# Altium PCB FMC_ADC_100M_10B_16CHA_TDC.PcbDoc (part 10 of 12) (continued)
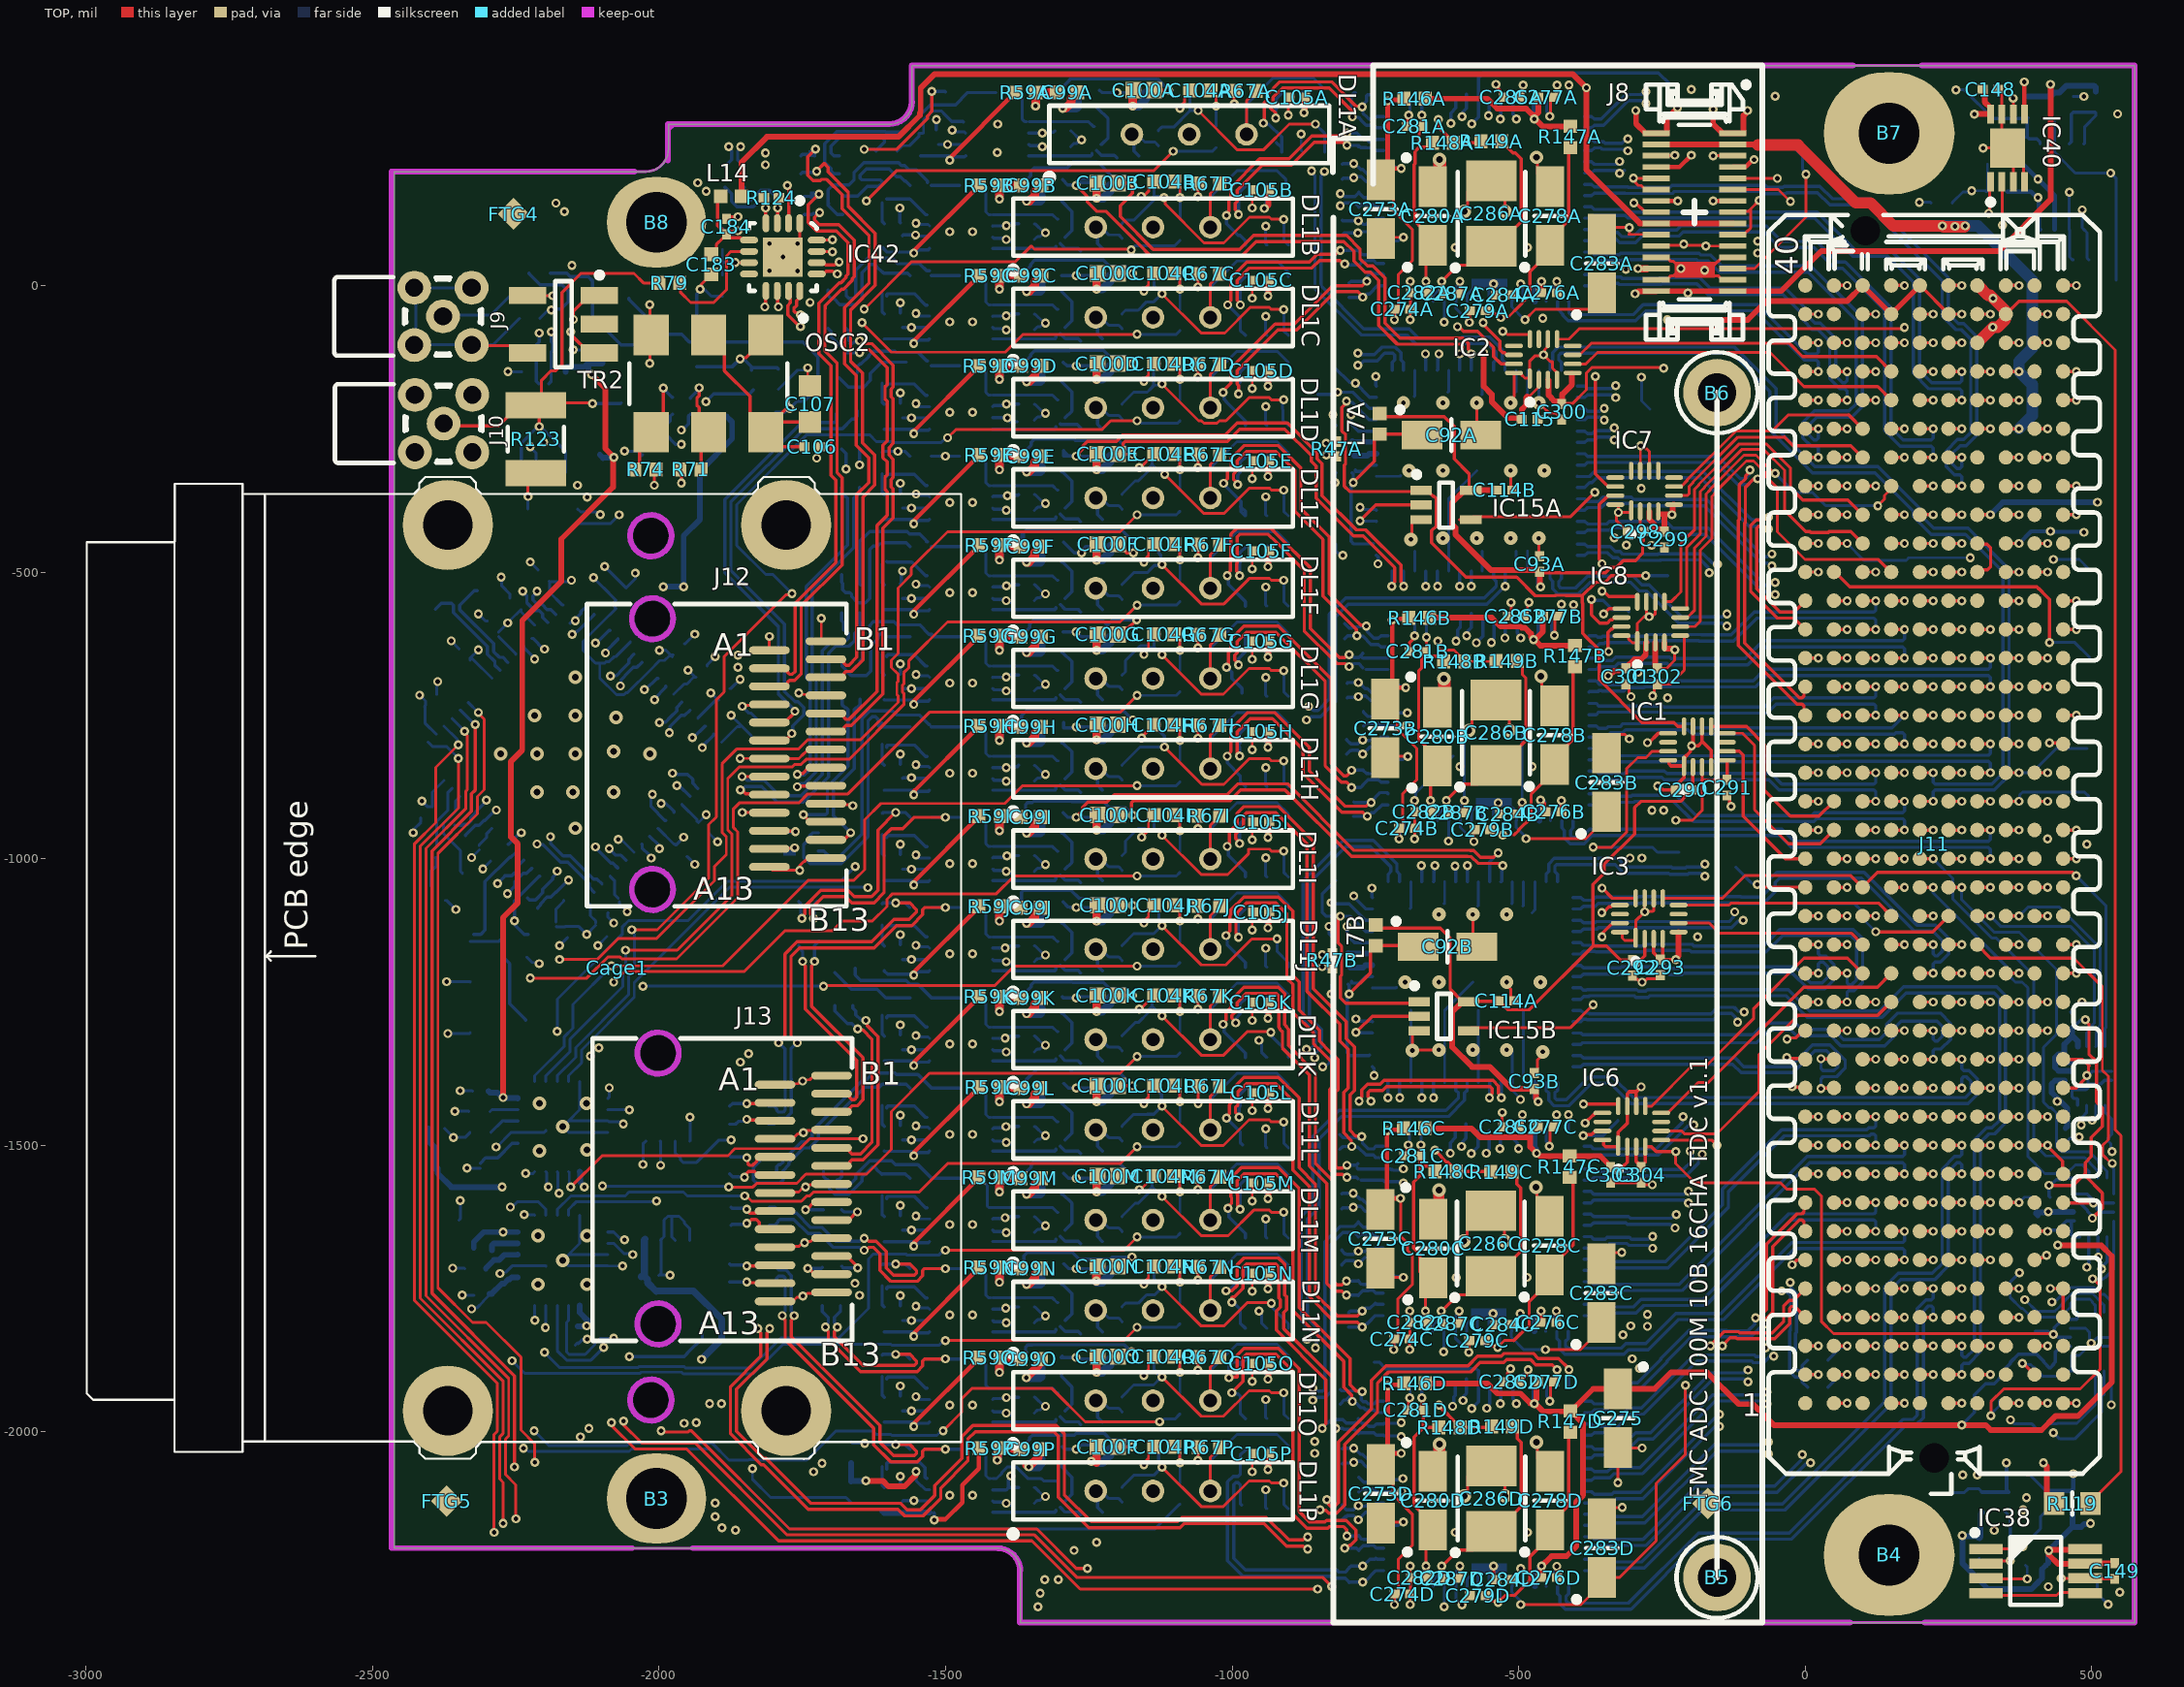
[diagram p0: TOP view]
## Nets (pads, with @x,y where several pads share a name; then routed paths per layer and width w, separated by ;. In a path a pad name is that pad's centre, name@x,y a point inside that pad or via, vN(x,y) a via of type N, cw(c..) or ccw(c..) an arc to the next point about the centre after c; other vN are vias at no path point) (continued)
  BOTTOM w5.71: v1(-783.86,-1303.2) -783.37,-1303.69 -755.81,-1303.69 IC14B.52@-755.32,-1304.19
NetIC20A_1: IC20A.1 R61A.1 R63A.2 | length 177.4
  BOTTOM w5: R63A.2@-1375.59,336.56 -1366.68,327.64 -1366.68,290.44 -1361.62,285.38 IC20A.1@-1358.66,285.38 ; IC20A.1@-1354.73,285.38 -1250.4,285.38 -1242.52,277.51 R61A.1@-1240.55,277.51
NetIC20A_4: IC20A.4 R57A.1 R61A.2 R62A.1 | length 229.7
  BOTTOM w5.71: IC20A.4@-1354.73,226.33 -1246.46,226.33 -1244.49,228.29 R61A.2@-1244.49,230.26 ; R61A.2@-1236.62,235.38 -1228.06,226.82 -1205.61,226.82 R62A.1@-1201.18,222.39 ; R57A.1@-1234.65,309 -1216.55,290.91 -1216.55,257.72 -1228.26,246.01 R61A.2@-1228.74,246.01
NetIC20A_5: IC20A.5 R59A.1 R69A.1 | length 247.4
  TOP w7.87: v1(-1492.52,218.45) -1491.01,219.95 -1491.01,223.9 R59A.1@-1378.35,336.56
  BOTTOM w5.71: R69A.1@-1543.7,226.33 -1543.62,226.25 v1@-1492.52,226.25 ; v1(-1492.52,218.45) -1489.8,218.45 -1483.99,224.26 -1467.03,224.26 IC20A.5@-1464.96,226.33
NetIC20A_8: IC20A.8 R64A.2 R69A.2 | length 169.3
  BOTTOM w5: R64A.2@-1584.25,234.2 -1584.25,234.99 -1575.34,243.9 -1562.84,243.9 -1546.85,259.89 -1546.85,265.7 -1539.48,265.7 -1538.46,266.71 -1538.46,288.74 -1522.51,304.69 -1507.74,304.69 -1500.24,297.19
  BOTTOM w5.71: -1500.24,297.19 -1489.48,286.43 -1469.94,286.43 IC20A.8@-1468.9,285.38
NetIC20B_1: IC20B.1 R61B.1 R63B.2 | length 177.4
  BOTTOM w5: R63B.2@-1438.7,174.59 -1429.79,165.68 -1429.79,128.47 -1424.73,123.41 IC20B.1@-1421.78,123.41 ; IC20B.1@-1417.84,123.41 -1313.51,123.41 -1305.63,115.54 R61B.1@-1303.66,115.54
NetIC20B_4: IC20B.4 R57B.1 R61B.2 R62B.1 | length 229.7
  BOTTOM w5.71: IC20B.4@-1417.84,64.36 -1309.57,64.36 -1307.6,66.33 R61B.2@-1307.6,68.29 ; R61B.2@-1299.73,73.41 -1291.17,64.85 -1268.73,64.85 R62B.1@-1264.29,60.42 ; R57B.1@-1297.76,147.03 -1279.67,128.94 -1279.67,95.75 -1291.37,84.04 R61B.2@-1291.85,84.04
NetIC20B_5: IC20B.5 R59B.1 R69B.1 | length 255.6
  TOP w7.87: v1(-1555.63,56.48) -1554.12,57.98 -1554.12,61.93 R59B.1@-1441.46,174.59
  BOTTOM w5.71: R69B.1@-1610.75,66.72 -1602.19,58.16 -1557.31,58.16 v1(-1555.63,56.48) -1552.91,56.48 -1547.1,62.29 -1530.14,62.29 IC20B.5@-1528.07,64.36
NetIC20B_8: IC20B.8 R64B.2 R69B.2 | length 120.7
  BOTTOM w5.71: R64B.2@-1610.75,144.28 -1610.75,111.6 R69B.2@-1606.81,107.66 ; R64B.2@-1602.88,151.37 -1602.47,150.95 -1562.51,150.95 -1534.96,123.41 IC20B.8@-1532.01,123.41
NetIC20C_1: IC20C.1 R61C.1 R63C.2 | length 177.4
  BOTTOM w5: R63C.2@-1438.7,17.11 -1429.79,8.2 -1429.79,-29.01 -1424.73,-34.07 IC20C.1@-1421.78,-34.07 ; IC20C.1@-1417.84,-34.07 -1313.51,-34.07 -1305.63,-41.94 R61C.1@-1303.66,-41.94
NetIC20C_4: IC20C.4 R57C.1 R61C.2 R62C.1 | length 229.7
  BOTTOM w5.71: IC20C.4@-1417.84,-93.12 -1309.57,-93.12 -1307.6,-91.15 R61C.2@-1307.6,-89.19 ; R61C.2@-1299.73,-84.07 -1291.17,-92.63 -1268.73,-92.63 R62C.1@-1264.29,-97.06 ; R57C.1@-1297.76,-10.45 -1279.67,-28.54 -1279.67,-61.73 -1291.37,-73.44 R61C.2@-1291.85,-73.44
NetIC20C_5: IC20C.5 R59C.1 R69C.1 | length 247.4
  TOP w7.87: v1(-1555.63,-101) -1554.12,-99.5 -1554.12,-95.55 R59C.1@-1441.46,17.11
  BOTTOM w5.71: R69C.1@-1606.81,-93.12 -1606.74,-93.2 v1@-1555.63,-93.2 ; v1(-1555.63,-101) -1552.91,-101 -1547.1,-95.19 -1530.14,-95.19 IC20C.5@-1528.07,-93.12
NetIC20C_8: IC20C.8 R64C.2 R69C.2 | length 120
  BOTTOM w5.71: R64C.2@-1610.75,-13.2 -1610.75,-45.88 R69C.2@-1606.81,-49.82 ; R64C.2@-1602.88,-18.06 -1602.88,-15.87 -1601.4,-14.4 -1554.63,-14.4 -1534.96,-34.07 IC20C.8@-1532.01,-34.07
NetIC20D_1: IC20D.1 R61D.1 R63D.2 | length 177.5
  BOTTOM w5: R63D.2@-1438.7,-140.37 -1429.79,-149.28 -1429.79,-186.49 -1424.73,-191.55 IC20D.1@-1421.78,-191.55 ; IC20D.1@-1417.84,-191.55 -1417.67,-191.38 -1313.68,-191.38 -1305.63,-199.42 R61D.1@-1303.66,-199.42
NetIC20D_4: IC20D.4 R57D.1 R61D.2 R62D.1 | length 227.2
  BOTTOM w5.71: IC20D.4@-1417.84,-250.6 -1309.57,-250.6 -1307.6,-248.63 R61D.2@-1307.6,-246.67 ; R61D.2@-1299.73,-241.55 -1298.94,-242.34 -1270.59,-242.34 R62D.1@-1264.29,-248.63 ; R57D.1@-1297.76,-167.93 -1279.67,-186.02 -1279.67,-219.21 -1291.37,-230.92 R61D.2@-1291.85,-230.92
NetIC20D_5: IC20D.5 R59D.1 R69D.1 | length 247.4
  TOP w7.87: v1(-1555.63,-258.48) -1554.12,-256.98 -1554.12,-253.03 R59D.1@-1441.46,-140.37
  BOTTOM w5.71: R69D.1@-1606.81,-250.6 -1606.74,-250.68 v1@-1555.63,-250.68 ; v1(-1555.63,-258.48) -1552.91,-258.48 -1547.1,-252.67 -1530.14,-252.67 IC20D.5@-1528.07,-250.6
NetIC20D_8: IC20D.8 R64D.2 R69D.2 | length 120
  BOTTOM w5.71: R64D.2@-1610.75,-170.68 -1610.75,-203.36 R69D.2@-1606.81,-207.3 ; R64D.2@-1602.88,-175.54 -1602.88,-173.35 -1601.4,-171.88 -1554.63,-171.88 -1534.96,-191.55 IC20D.8@-1532.01,-191.55
NetIC20E_1: IC20E.1 R61E.1 R63E.2 | length 177.4
  BOTTOM w5: R63E.2@-1438.7,-297.85 -1429.79,-306.76 -1429.79,-343.97 -1424.73,-349.03 IC20E.1@-1421.78,-349.03 ; IC20E.1@-1417.84,-349.03 -1313.51,-349.03 -1305.63,-356.9 R61E.1@-1303.66,-356.9
NetIC20E_4: IC20E.4 R57E.1 R61E.2 R62E.1 | length 231
  BOTTOM w5.71: IC20E.4@-1417.84,-408.08 -1309.57,-408.08 -1307.6,-406.12 R61E.2@-1307.6,-404.15 ; R61E.2@-1299.73,-399.03 -1291.17,-407.59 -1268.73,-407.59 R62E.1@-1264.29,-412.02 ; R57E.1@-1297.76,-325.41 -1295.4,-325.41 -1279.67,-341.14 -1279.67,-376.69 -1291.37,-388.4 R61E.2@-1291.85,-388.4
NetIC20E_5: IC20E.5 R59E.1 R69E.1 | length 248.4
  TOP w7.87: v1(-1555.63,-415.96) -1554.12,-414.46 -1554.12,-408.94 -1443.03,-297.85 R59E.1@-1441.46,-297.85
  BOTTOM w5.71: R69E.1@-1606.81,-408.08 -1606.74,-408.16 v1@-1555.63,-408.16 ; v1(-1555.63,-415.96) -1552.91,-415.96 -1547.1,-410.15 -1530.14,-410.15 IC20E.5@-1528.07,-408.08
NetIC20E_8: IC20E.8 R64E.2 R69E.2 | length 120
  BOTTOM w5.71: R64E.2@-1610.75,-328.16 -1610.75,-360.84 R69E.2@-1606.81,-364.78 ; R64E.2@-1602.88,-333.02 -1602.88,-330.84 -1601.4,-329.36 -1554.63,-329.36 -1534.96,-349.03 IC20E.8@-1532.01,-349.03
NetIC20F_1: IC20F.1 R61F.1 R63F.2 | length 177.4
  BOTTOM w5: R63F.2@-1438.7,-455.33 -1429.79,-464.25 -1429.79,-501.45 -1424.73,-506.51 IC20F.1@-1421.78,-506.51 ; IC20F.1@-1417.84,-506.51 -1313.51,-506.51 -1305.63,-514.38 R61F.1@-1303.66,-514.38
NetIC20F_4: IC20F.4 R57F.1 R61F.2 R62F.1 | length 231
  BOTTOM w5.71: IC20F.4@-1417.84,-565.56 -1309.57,-565.56 -1307.6,-563.6 R61F.2@-1307.6,-561.63 ; R61F.2@-1299.73,-556.51 -1291.17,-565.07 -1268.73,-565.07 R62F.1@-1264.29,-569.5 ; R57F.1@-1297.76,-482.89 -1295.4,-482.89 -1279.67,-498.62 -1279.67,-534.17 -1291.37,-545.88 R61F.2@-1291.85,-545.88
NetIC20F_5: IC20F.5 R59F.1 R69F.1 | length 248.4
  TOP w7.87: v1(-1555.63,-573.44) -1554.12,-571.94 -1554.12,-566.42 -1443.03,-455.33 R59F.1@-1441.46,-455.33
  BOTTOM w5.71: R69F.1@-1606.81,-565.56 -1606.74,-565.64 v1@-1555.63,-565.64 ; v1(-1555.63,-573.44) -1552.91,-573.44 -1547.1,-567.63 -1530.14,-567.63 IC20F.5@-1528.07,-565.56
NetIC20F_8: IC20F.8 R64F.2 R69F.2 | length 119.4
  BOTTOM w5.71: R64F.2@-1610.75,-485.64 -1610.75,-518.32 R69F.2@-1606.81,-522.26 ; R64F.2@-1602.88,-481.67 -1602.19,-482.36 -1559.12,-482.36 -1534.96,-506.51 IC20F.8@-1532.01,-506.51
NetIC20G_1: IC20G.1 R61G.1 R63G.2 | length 177.4
  BOTTOM w5: R63G.2@-1438.7,-612.81 -1429.79,-621.73 -1429.79,-658.93 -1424.73,-663.99 IC20G.1@-1421.78,-663.99 ; IC20G.1@-1417.84,-663.99 -1313.51,-663.99 -1305.63,-671.86 R61G.1@-1303.66,-671.86
NetIC20G_4: IC20G.4 R57G.1 R61G.2 R62G.1 | length 231
  BOTTOM w5.71: IC20G.4@-1417.84,-723.04 -1309.57,-723.04 -1307.6,-721.08 R61G.2@-1307.6,-719.11 ; R61G.2@-1299.73,-713.99 -1291.17,-722.55 -1268.73,-722.55 R62G.1@-1264.29,-726.98 ; R57G.1@-1297.76,-640.37 -1295.4,-640.37 -1279.67,-656.1 -1279.67,-691.65 -1291.37,-703.36 R61G.2@-1291.85,-703.36
NetIC20G_5: IC20G.5 R59G.1 R69G.1 | length 248.4
  TOP w7.87: v1(-1555.63,-730.92) -1554.12,-729.42 -1554.12,-723.9 -1443.03,-612.81 R59G.1@-1441.46,-612.81
  BOTTOM w5.71: R69G.1@-1606.81,-723.04 -1606.74,-723.12 v1@-1555.63,-723.12 ; v1(-1555.63,-730.92) -1552.91,-730.92 -1547.1,-725.11 -1530.14,-725.11 IC20G.5@-1528.07,-723.04
NetIC20G_8: IC20G.8 R64G.2 R69G.2 | length 120
  BOTTOM w5.71: R64G.2@-1610.75,-643.12 -1610.75,-675.8 R69G.2@-1606.81,-679.74 ; R64G.2@-1602.88,-647.98 -1602.88,-645.8 -1601.4,-644.32 -1554.63,-644.32 -1534.96,-663.99 IC20G.8@-1532.01,-663.99
NetIC20H_1: IC20H.1 R61H.1 R63H.2 | length 177.4
  BOTTOM w5: R63H.2@-1438.7,-770.29 -1429.79,-779.21 -1429.79,-816.41 -1424.73,-821.47 IC20H.1@-1421.78,-821.47 ; IC20H.1@-1417.84,-821.47 -1313.51,-821.47 -1305.63,-829.34 R61H.1@-1303.66,-829.34
NetIC20H_4: IC20H.4 R57H.1 R61H.2 R62H.1 | length 231
  BOTTOM w5.71: IC20H.4@-1417.84,-880.52 -1309.57,-880.52 -1307.6,-878.56 R61H.2@-1307.6,-876.59 ; R61H.2@-1299.73,-871.47 -1291.17,-880.03 -1268.73,-880.03 R62H.1@-1264.29,-884.46 ; R57H.1@-1297.76,-797.85 -1295.4,-797.85 -1279.67,-813.58 -1279.67,-849.13 -1291.37,-860.84 R61H.2@-1291.85,-860.84
NetIC20H_5: IC20H.5 R59H.1 R69H.1 | length 248.4
  TOP w7.87: v1(-1555.63,-888.4) -1554.12,-886.9 -1554.12,-881.38 -1443.03,-770.29 R59H.1@-1441.46,-770.29
  BOTTOM w5.71: R69H.1@-1606.81,-880.52 -1606.74,-880.6 v1@-1555.63,-880.6 ; v1(-1555.63,-888.4) -1552.91,-888.4 -1547.1,-882.59 -1530.14,-882.59 IC20H.5@-1528.07,-880.52
NetIC20H_8: IC20H.8 R64H.2 R69H.2 | length 120
  BOTTOM w5.71: R64H.2@-1610.75,-800.6 -1610.75,-833.28 R69H.2@-1606.81,-837.22 ; R64H.2@-1602.88,-805.46 -1602.88,-803.28 -1601.4,-801.8 -1554.63,-801.8 -1534.96,-821.47 IC20H.8@-1532.01,-821.47
NetIC20I_1: IC20I.1 R61I.1 R63I.2 | length 177.4
  BOTTOM w5: R63I.2@-1438.7,-927.77 -1429.79,-936.69 -1429.79,-973.89 -1424.73,-978.95 IC20I.1@-1421.78,-978.95 ; IC20I.1@-1417.84,-978.95 -1313.51,-978.95 -1305.63,-986.82 R61I.1@-1303.66,-986.82
NetIC20I_4: IC20I.4 R57I.1 R61I.2 R62I.1 | length 231
  BOTTOM w5.71: IC20I.4@-1417.84,-1038 -1309.57,-1038 -1307.6,-1036.04 R61I.2@-1307.6,-1034.07 ; R61I.2@-1299.73,-1028.95 -1291.17,-1037.51 -1268.73,-1037.51 R62I.1@-1264.29,-1041.94 ; R57I.1@-1297.76,-955.33 -1295.4,-955.33 -1279.67,-971.06 -1279.67,-1006.61 -1291.37,-1018.32 R61I.2@-1291.85,-1018.32
NetIC20I_5: IC20I.5 R59I.1 R69I.1 | length 248.4
  TOP w7.87: v1(-1555.63,-1045.88) -1554.12,-1044.38 -1554.12,-1038.86 -1443.03,-927.77 R59I.1@-1441.46,-927.77
  BOTTOM w5.71: R69I.1@-1606.81,-1038 -1606.74,-1038.08 v1@-1555.63,-1038.08 ; v1(-1555.63,-1045.88) -1552.91,-1045.88 -1547.1,-1040.07 -1530.14,-1040.07 IC20I.5@-1528.07,-1038
NetIC20I_8: IC20I.8 R64I.2 R69I.2 | length 120
  BOTTOM w5.71: R64I.2@-1610.75,-958.08 -1610.75,-990.76 R69I.2@-1606.81,-994.7 ; R64I.2@-1602.88,-962.94 -1602.88,-960.76 -1601.4,-959.28 -1554.63,-959.28 -1534.96,-978.95 IC20I.8@-1532.01,-978.95
NetIC20J_1: IC20J.1 R61J.1 R63J.2 | length 177.4
  BOTTOM w5: R63J.2@-1438.7,-1085.25 -1429.79,-1094.17 -1429.79,-1131.37 -1424.73,-1136.43 IC20J.1@-1421.78,-1136.43 ; IC20J.1@-1417.84,-1136.43 -1313.51,-1136.43 -1305.63,-1144.3 R61J.1@-1303.66,-1144.3
NetIC20J_4: IC20J.4 R57J.1 R61J.2 R62J.1 | length 231
  BOTTOM w5.71: IC20J.4@-1417.84,-1195.49 -1309.57,-1195.49 -1307.6,-1193.52 R61J.2@-1307.6,-1191.55 ; R61J.2@-1299.73,-1186.43 -1291.17,-1194.99 -1268.73,-1194.99 R62J.1@-1264.29,-1199.42 ; R57J.1@-1297.76,-1112.81 -1295.4,-1112.81 -1279.67,-1128.54 -1279.67,-1164.09 -1291.37,-1175.8 R61J.2@-1291.85,-1175.8
NetIC20J_5: IC20J.5 R59J.1 R69J.1 | length 250.5
  TOP w7.87: v1(-1555.63,-1203.36) -1554.12,-1201.86 -1554.12,-1196.34 -1443.03,-1085.25 R59J.1@-1441.46,-1085.25
  BOTTOM w5.71: R69J.1@-1606.81,-1195.49 -1606.81,-1196.27 -1601.4,-1201.68 -1557.31,-1201.68 v1(-1555.63,-1203.36) ; v1@-1554.03,-1203.36 -1552.91,-1203.36 -1547.1,-1197.55 -1530.14,-1197.55 IC20J.5@-1528.07,-1195.49
NetIC20J_8: IC20J.8 R64J.2 R69J.2 | length 120
  BOTTOM w5.71: R64J.2@-1610.75,-1115.56 -1610.75,-1148.24 R69J.2@-1606.81,-1152.18 ; R64J.2@-1602.88,-1120.42 -1602.88,-1118.24 -1601.4,-1116.76 -1554.63,-1116.76 -1534.96,-1136.43 IC20J.8@-1532.01,-1136.43
NetIC20K_1: IC20K.1 R61K.1 R63K.2 | length 177.4
  BOTTOM w5: R63K.2@-1438.7,-1242.73 -1429.79,-1251.65 -1429.79,-1288.85 -1424.73,-1293.91 IC20K.1@-1421.78,-1293.91 ; IC20K.1@-1417.84,-1293.91 -1313.51,-1293.91 -1305.63,-1301.78 R61K.1@-1303.66,-1301.78
NetIC20K_4: IC20K.4 R57K.1 R61K.2 R62K.1 | length 231
  BOTTOM w5.71: IC20K.4@-1417.84,-1352.97 -1309.57,-1352.97 -1307.6,-1351 R61K.2@-1307.6,-1349.03 ; R61K.2@-1299.73,-1343.91 -1291.17,-1352.47 -1268.73,-1352.47 R62K.1@-1264.29,-1356.9 ; R57K.1@-1297.76,-1270.29 -1295.4,-1270.29 -1279.67,-1286.02 -1279.67,-1321.57 -1291.37,-1333.28 R61K.2@-1291.85,-1333.28
NetIC20K_5: IC20K.5 R59K.1 R69K.1 | length 248.4
  TOP w7.87: v1(-1555.63,-1360.84) -1554.12,-1359.34 -1554.12,-1353.82 -1443.03,-1242.73 R59K.1@-1441.46,-1242.73
  BOTTOM w5.71: R69K.1@-1606.81,-1352.97 -1606.74,-1353.04 v1@-1555.63,-1353.04 ; v1(-1555.63,-1360.84) -1552.91,-1360.84 -1547.1,-1355.03 -1530.14,-1355.03 IC20K.5@-1528.07,-1352.97
NetIC20K_8: IC20K.8 R64K.2 R69K.2 | length 120
  BOTTOM w5.71: R64K.2@-1610.75,-1273.04 -1610.75,-1305.72 R69K.2@-1606.81,-1309.66 ; R64K.2@-1602.88,-1277.9 -1602.88,-1275.72 -1601.4,-1274.24 -1554.63,-1274.24 -1534.96,-1293.91 IC20K.8@-1532.01,-1293.91
NetIC20L_1: IC20L.1 R61L.1 R63L.2 | length 177.4
  BOTTOM w5: R63L.2@-1438.7,-1400.21 -1429.79,-1409.13 -1429.79,-1446.33 -1424.73,-1451.39 IC20L.1@-1421.78,-1451.39 ; IC20L.1@-1417.84,-1451.39 -1313.51,-1451.39 -1305.63,-1459.26 R61L.1@-1303.66,-1459.26
NetIC20L_4: IC20L.4 R57L.1 R61L.2 R62L.1 | length 231
  BOTTOM w5.71: IC20L.4@-1417.84,-1510.45 -1309.57,-1510.45 -1307.6,-1508.48 R61L.2@-1307.6,-1506.51 ; R61L.2@-1299.73,-1501.39 -1291.17,-1509.95 -1268.73,-1509.95 R62L.1@-1264.29,-1514.38 ; R57L.1@-1297.76,-1427.77 -1295.4,-1427.77 -1279.67,-1443.5 -1279.67,-1479.05 -1291.37,-1490.76 R61L.2@-1291.85,-1490.76
NetIC20L_5: IC20L.5 R59L.1 R69L.1 | length 248.4
  TOP w7.87: v1(-1555.63,-1518.32) -1554.12,-1516.82 -1554.12,-1511.3 -1443.03,-1400.21 R59L.1@-1441.46,-1400.21
  BOTTOM w5.71: R69L.1@-1606.81,-1510.45 -1606.74,-1510.52 v1@-1555.63,-1510.52 ; v1(-1555.63,-1518.32) -1552.91,-1518.32 -1547.1,-1512.51 -1530.14,-1512.51 IC20L.5@-1528.07,-1510.45
NetIC20L_8: IC20L.8 R64L.2 R69L.2 | length 120
  BOTTOM w5.71: R64L.2@-1610.75,-1430.52 -1610.75,-1463.2 R69L.2@-1606.81,-1467.14 ; R64L.2@-1602.88,-1435.38 -1602.88,-1433.2 -1601.4,-1431.72 -1554.63,-1431.72 -1534.96,-1451.39 IC20L.8@-1532.01,-1451.39
NetIC20M_1: IC20M.1 R61M.1 R63M.2 | length 181.3
  BOTTOM w5: R63M.2@-1438.7,-1557.69 -1438.7,-1558.48 -1427.15,-1570.03 -1427.15,-1606.45 -1424.73,-1608.87 -1313.51,-1608.87 -1305.63,-1616.75 R61M.1@-1303.66,-1616.75
NetIC20M_4: IC20M.4 R57M.1 R61M.2 R62M.1 | length 231
  BOTTOM w5.71: IC20M.4@-1417.84,-1667.93 -1309.57,-1667.93 -1307.6,-1665.96 R61M.2@-1307.6,-1663.99 ; R61M.2@-1299.73,-1658.87 -1291.17,-1667.43 -1268.73,-1667.43 R62M.1@-1264.29,-1671.86 ; R57M.1@-1297.76,-1585.25 -1295.4,-1585.25 -1279.67,-1600.98 -1279.67,-1636.53 -1291.37,-1648.24 R61M.2@-1291.85,-1648.24
NetIC20M_5: IC20M.5 R59M.1 R69M.1 | length 248.4
  TOP w7.87: v1(-1555.63,-1675.81) -1554.12,-1674.3 -1554.12,-1668.78 -1443.03,-1557.69 R59M.1@-1441.46,-1557.69
  BOTTOM w5.71: R69M.1@-1606.81,-1667.93 -1606.74,-1668 v1@-1555.63,-1668 ; v1(-1555.63,-1675.81) -1552.91,-1675.81 -1547.1,-1669.99 -1530.14,-1669.99 IC20M.5@-1528.07,-1667.93
NetIC20M_8: IC20M.8 R64M.2 R69M.2 | length 120
  BOTTOM w5.71: R64M.2@-1610.75,-1588 -1610.75,-1620.68 R69M.2@-1606.81,-1624.62 ; R64M.2@-1602.88,-1592.86 -1602.88,-1590.68 -1601.4,-1589.2 -1554.63,-1589.2 -1534.96,-1608.87 IC20M.8@-1532.01,-1608.87
NetIC20N_1: IC20N.1 R61N.1 R63N.2 | length 177.4
  BOTTOM w5: R63N.2@-1438.7,-1715.17 -1429.79,-1724.09 -1429.79,-1761.29 -1424.73,-1766.35 IC20N.1@-1421.78,-1766.35 ; IC20N.1@-1417.84,-1766.35 -1313.51,-1766.35 -1305.63,-1774.23 R61N.1@-1303.66,-1774.23
NetIC20N_4: IC20N.4 R57N.1 R61N.2 R62N.1 | length 231
  BOTTOM w5.71: IC20N.4@-1417.84,-1825.41 -1309.57,-1825.41 -1307.6,-1823.44 R61N.2@-1307.6,-1821.47 ; R61N.2@-1299.73,-1816.35 -1291.17,-1824.91 -1268.73,-1824.91 R62N.1@-1264.29,-1829.34 ; R57N.1@-1297.76,-1742.73 -1295.4,-1742.73 -1279.67,-1758.46 -1279.67,-1794.01 -1291.37,-1805.72 R61N.2@-1291.85,-1805.72
NetIC20N_5: IC20N.5 R59N.1 R69N.1 | length 248.4
  TOP w7.87: v1(-1555.63,-1833.29) -1554.12,-1831.78 -1554.12,-1826.26 -1443.03,-1715.17 R59N.1@-1441.46,-1715.17
  BOTTOM w5.71: R69N.1@-1606.81,-1825.41 -1606.74,-1825.49 v1@-1555.63,-1825.49 ; v1(-1555.63,-1833.29) -1552.91,-1833.29 -1547.1,-1827.47 -1530.14,-1827.47 IC20N.5@-1528.07,-1825.41
NetIC20N_8: IC20N.8 R64N.2 R69N.2 | length 120
  BOTTOM w5.71: R64N.2@-1610.75,-1745.49 -1610.75,-1778.16 R69N.2@-1606.81,-1782.1 ; R64N.2@-1602.88,-1750.34 -1602.88,-1748.16 -1601.4,-1746.68 -1554.63,-1746.68 -1534.96,-1766.35 IC20N.8@-1532.01,-1766.35
NetIC20O_1: IC20O.1 R61O.1 R63O.2 | length 177.4
  BOTTOM w5: R63O.2@-1438.7,-1872.65 -1429.79,-1881.57 -1429.79,-1918.77 -1424.73,-1923.83 IC20O.1@-1421.78,-1923.83 ; IC20O.1@-1417.84,-1923.83 -1313.51,-1923.83 -1305.63,-1931.71 R61O.1@-1303.66,-1931.71
NetIC20O_4: IC20O.4 R57O.1 R61O.2 R62O.1 | length 229.7
  BOTTOM w5.71: IC20O.4@-1417.84,-1982.89 -1309.57,-1982.89 -1307.6,-1980.92 R61O.2@-1307.6,-1978.95 ; R61O.2@-1299.73,-1973.83 -1291.17,-1982.39 -1268.73,-1982.39 R62O.1@-1264.29,-1986.82 ; R57O.1@-1297.76,-1900.21 -1297.76,-1903.48 -1279.67,-1921.57 -1279.67,-1951.5 -1291.37,-1963.2 R61O.2@-1291.85,-1963.2
NetIC20O_5: IC20O.5 R59O.1 R69O.1 | length 248.4
  TOP w7.87: v1(-1555.63,-1990.77) -1554.12,-1989.26 -1554.12,-1983.74 -1443.03,-1872.65 R59O.1@-1441.46,-1872.65
  BOTTOM w5.71: R69O.1@-1606.81,-1982.89 -1606.74,-1982.97 v1@-1555.63,-1982.97 ; v1(-1555.63,-1990.77) -1552.91,-1990.77 -1547.1,-1984.95 -1530.14,-1984.95 IC20O.5@-1528.07,-1982.89
NetIC20O_8: IC20O.8 R64O.2 R69O.2 | length 120
  BOTTOM w5.71: R64O.2@-1610.75,-1902.97 -1610.75,-1935.64 R69O.2@-1606.81,-1939.58 ; R64O.2@-1602.88,-1907.82 -1602.88,-1905.64 -1601.4,-1904.16 -1554.63,-1904.16 -1534.96,-1923.83 IC20O.8@-1532.01,-1923.83
NetIC20P_1: IC20P.1 R61P.1 R63P.2 | length 194.7
  BOTTOM w5: R63P.2@-1438.7,-2030.13 -1429.79,-2039.05 -1429.79,-2076.25 -1424.73,-2081.31 IC20P.1@-1421.78,-2081.31 ; IC20P.1@-1417.84,-2081.31 -1410.95,-2081.31 -1401.59,-2071.96 -1401.59,-2070.46 -1392.59,-2061.45 -1376.09,-2061.45 -1355.86,-2081.69 -1333.04,-2081.69 -1329.34,-2085.39 -1307.46,-2085.39 R61P.1@-1303.66,-2089.19
NetIC20P_4: IC20P.4 R57P.1 R61P.2 R62P.1 | length 229.7
  BOTTOM w5.71: IC20P.4@-1417.84,-2140.37 -1309.57,-2140.37 -1307.6,-2138.4 R61P.2@-1307.6,-2136.43 ; R61P.2@-1299.73,-2131.31 -1291.17,-2139.87 -1268.73,-2139.87 R62P.1@-1264.29,-2144.3 ; R57P.1@-1297.76,-2057.69 -1297.76,-2060.96 -1279.67,-2079.05 -1279.67,-2108.98 -1291.37,-2120.68 R61P.2@-1291.85,-2120.68
NetIC20P_5: IC20P.5 R59P.1 R69P.1 | length 266.1
  TOP w7.87: v1(-1520.08,-2153.95) -1518.57,-2152.45 -1500.41,-2152.45 -1471,-2123.04 -1471,-2093 -1441.85,-2063.85 R59P.1@-1441.85,-2028.16
  BOTTOM w5.71: IC20P.5@-1520.2,-2141.35 -1520.08,-2141.48 v1(-1520.08,-2153.95)
  BOTTOM w10: R69P.1@-1610.75,-2138 -1607.25,-2141.51 -1567.24,-2141.51 -1566.1,-2140.37 IC20P.5@-1528.07,-2140.37
NetIC20P_8: IC20P.8 R64P.2 R69P.2 | length 141.8
  BOTTOM w5.71: R64P.2@-1610.75,-2060.45 -1610.75,-2093.12 R69P.2@-1606.81,-2097.06 ; R64P.2@-1602.88,-2065.3 -1602.88,-2054.69 -1601.4,-2053.22 -1545.06,-2053.22 -1535.84,-2062.44 -1535.84,-2079.25 -1533.78,-2081.31 IC20P.8@-1532.01,-2081.31
NetIC35_10: IC35.10 R84.2 | length 55.4
  BOTTOM w5: R84.2@-2293.04,-1477.85 -2293.04,-1477.06 -2273.53,-1457.56 -2268.67,-1457.56
  BOTTOM w5.71: -2268.67,-1457.56 IC35.10@-2246.53,-1457.56
NetIC35_11: IC35.11 R81.2 | length 49.6
  BOTTOM w5: R81.2@-2294.78,-1441.22 -2291.44,-1437.87 -2268.67,-1437.87
  BOTTOM w5.71: -2268.67,-1437.87 IC35.11@-2246.53,-1437.87
NetIC36_10: IC36.10 R86.2 | length 66.2
  BOTTOM w10: R86.2@-2302.16,-1715.17 -2302.16,-1714.39 -2288.06,-1700.29 -2279.23,-1700.29 -2270.1,-1691.17 -2246.88,-1691.17 IC36.10@-2246.53,-1690.82
NetIC36_11: IC36.11 R85.2 | length 55
  BOTTOM w10: R85.2@-2291.73,-1683.12 -2291.73,-1674.85 -2288.37,-1671.49 -2246.88,-1671.49 IC36.11@-2246.53,-1671.14
NetIC38_1: IC38.1 IC39.1 R111.1 R113.1 | length 3452.8
  TOP w5.33: v1(-2062,-1981) -2062,-1986.46 -2062.6,-1987.06 -2030.2,-2019.46 -1936.84,-2019.46 -1776.49,-2179.82 -1345.08,-2179.82 -1271.11,-2253.78 -842.14,-2253.78 v1(-826.18,-2269.74) ; IC38.1@315.43,-2204.34 v1@373.63,-2204.34
  L3 w5.33: v1(-2062,-1981) -2062.24,-1981 -2062.24,-1963.38 -2067.51,-1958.11 -2067.51,-1883.76 -2051.83,-1868.07 -2051.83,-1772.65 -2027.95,-1748.77 v1(-2027.95,-1533.52) ; v1(-826.18,-2269.74) -786.15,-2269.74 -778.48,-2277.4 -729.68,-2277.4 -723.71,-2271.43 -224.8,-2271.43 -195.21,-2301.02 303.7,-2301.02 373.29,-2231.44 373.29,-2208.92 379.39,-2202.82 v1(379.39,-2200)
  BOTTOM w5.33: v1(-2051.83,-1868.71) -1955.95,-1868.71 -1951.13,-1863.89 -1951.13,-1862.84 -1936.17,-1847.88 -1935.12,-1847.88 -1924.52,-1837.28 R111.1@-1924.52,-1811.01 ; v1(-2027.95,-1533.52) -2027.95,-1497.53 IC39.1@-2023.15,-1492.73 ; v1(379.39,-2200) 410.61,-2168.77 410.61,-2147.55 R113.1@419.76,-2138.4
NetIC38_2: IC38.2 IC39.2 R112.1 R114.1 | length 3307.1
  TOP w5.33: v1(-1996.46,-1998.08) -1994.02,-2000.52 -1949.87,-2000.52 -1947.43,-1998.08 -1943.62,-1998.08 -1772.21,-2169.49 -1340.8,-2169.49 -1272.05,-2238.24 v1(-1252.36,-2238.24) ; IC38.2@315.43,-2229.93 320.36,-2225 v1(357.75,-2225)
  L3 w5.33: v1(-1997.21,-1534.95) -1997.21,-1537.77 -1988.8,-1546.18 -1988.8,-1635.8 -1996.24,-1643.25 -1996.24,-1742.6 -1951.3,-1787.54 -1951.3,-1833.29 -1969.96,-1851.95 -1969.96,-1907.66 -1965.41,-1912.21 -1965.41,-1967.04 v1(-1996.46,-1998.08)
  L2 w5.33: v1(-1252.36,-2238.24) -1041.91,-2238.24 -1040.28,-2239.88 -799.59,-2239.88 -788.06,-2228.35 -787.59,-2228.35 -787.59,-2227.87 -778.48,-2218.77 -772.05,-2218.77 -771.46,-2218.18 -214.35,-2218.18 -151.04,-2154.86 96.68,-2154.86 114.18,-2137.36 178.33,-2137.36 195.84,-2154.86 263.01,-2154.86 263.13,-2154.75 334.64,-2154.75 357.75,-2177.86 v1(357.75,-2225)
  BOTTOM w5.33: IC39.2@-1997.56,-1492.73 -1997.21,-1493.09 v1(-1997.21,-1534.95) ; R112.1@303.62,-2221.08 307.54,-2225 v1(357.75,-2225) 357.75,-2148.24 R114.1@347.91,-2138.4
NetIC42_6: IC42.6 R79.1 | length 215.3
  TOP w5: R79.1@-1963.52,4.39 -1962.24,3.11 -1962.24,-12.38 -1945.04,-29.59 -1904.5,-29.59 -1882.27,-7.35 -1882.27,34.94 -1882.6,35.28 -1882.6,39.42 -1882.27,39.75 -1882.27,51.61 -1874.51,59.37 IC42.6@-1843.02,59.37
NetIC42_7: IC42.7 R150.1 R151.2 | length 90.9
  TOP w5: v1(-1866.89,40) -1866.73,39.84 -1843.17,39.84 IC42.7@-1843.02,39.69
  BOTTOM w5: R151.2@-1889.42,18.15 -1889.42,40.26 ; R150.1@-1889.42,62.38 -1889.42,40.26 ; v1(-1866.89,40) -1867.15,40.26 -1889.42,40.26
NetJ8_25: J8.25 TP43.1 | length 305.8
  TOP w5: J8.25@-126.38,29.47 -88.52,29.47 1.23,119.22 v1(1.23,194.09)
  BOTTOM w5: TP43.1@-27.59,248.27 -5.09,225.77 -5.09,203.33 1.23,197 v1(1.23,194.09)
NetJ8_26: J8.26 TP44.1 | length 288.9
  TOP w5: v1(-292,29.37) -291.95,29.42 -260.29,29.42 J8.26@-260.24,29.47
  L3 w5: v1(-292,29.37) -292,28.19 -281.72,17.91 -281.72,-68.5 -285.69,-72.47 v1(-285.69,-160.05)
  BOTTOM w5: v1(-285.69,-160.05) -285.69,-201.51 TP44.1@-271.3,-215.89
NetJ9_2: J9.2 R75.2 TR2.4 | length 515.7
  TOP w5: J9.2@-2318.63,-84.07 -2297.69,-105 -2259.5,-105 -2246.97,-117.53 TR2.4@-2229.45,-117.53
  BOTTOM w5: J9.2@-2324,-89 -2338,-103 -2424,-103 -2424,-4 -2339,-4 J9.2@-2324,11 ; J9.2@-2318.63,-84.07 -2299.69,-103 -2288.94,-103 R75.2@-2243.63,-57.69
NetR123_1: R123.1 T8.3 | length 54.8
  TOP w5: v1(-2228.74,-368.16) -2228.74,-340.6 R123.1@-2224.8,-336.67
  BOTTOM w5: T8.3@-2228.74,-389.82 v1(-2228.74,-368.16)
P1V8: C93A.2 C93B.2 C114A.2 C114B.2 C290.1 C292.1 C298.1 IC1.2 IC3.2 IC7.2 IC14A.35 IC14B.35 IC15A.5 IC15B.5 J8.17 J8.18 L7A.1 L7B.1 L14.1 | length 6199.4
  TOP w5.71: L7B.1@-749.41,-1115.64 -743.92,-1121.13 -636.9,-1121.13 -619.51,-1138.53 -619.51,-1228.09 -598.19,-1249.41 IC15B.5@-595.44,-1249.41 ; L7A.1@-742.52,-223.08 -737.03,-228.57 -630.02,-228.57 -612.62,-245.97 -612.62,-302.36 -586.57,-328.41 -586.57,-357.34 -586.49,-357.41 IC15A.5@-583.69,-357.41 ; IC15B.5@-587.36,-1249.41 -586.57,-1248.62 -535.83,-1248.62 C114A.2@-535.04,-1247.82 -534.05,-1247.82 -524.19,-1257.68 -524.19,-1258.95 -519.59,-1263.55 -481.49,-1263.55 -370.1,-1152.16 ; C93A.2@-463.77,-499.78 -462.29,-501.26 -403.51,-501.26 -403.46,-501.31 -348.21,-501.31 -339,-492.1 -329.72,-492.1 -317.67,-480.04 -296.34,-480.04 -283.86,-467.57 -283.86,-446.76 -282.03,-444.93 C298.1@-282.03,-429 -283.02,-429 -288.05,-423.97 IC7.2@-288.05,-394.18 ; IC3.2@-280.18,-1140 -280.18,-1169.27 -287.68,-1176.78 C292.1@-301.61,-1176.78 -322.04,-1176.78 -346.67,-1152.16 -370.1,-1152.16 ; C290.1@-196.23,-878.16 -197.21,-878.16 -209.06,-890.01 -209.06,-891.28 -217.79,-900 -287.14,-900 -298,-910.87 -298,-956.85 -350.95,-1009.79 -350.95,-1025.21 -370.73,-1044.99 -370.73,-1142.67 -370.1,-1143.3 -370.1,-1152.16
  TOP w6: C290.1@-196.23,-878.16 -196.23,-840.53 IC1.2@-195.87,-840.17
  TOP w10: L14.1@-1856.3,155.46 -1856.3,214.72 -1811.83,259.2 -1582.39,259.2 -1544.73,296.86 -1544.73,301.16 -1543.47,302.42 -1543.47,344.45 -1519.11,368.81 -405.81,368.81 v1@-383.88,346.88 ; IC15B.5@-598.19,-1249.41 -616.06,-1267.28 -616.06,-1328.46 -581.33,-1363.19 -550.52,-1363.19 -511.93,-1401.78 C93B.2@-473,-1401.78 -470.13,-1404.65 v1@-470.13,-1418.32 ; IC15B.5@-595.44,-1249.41 IC15B.5@-587.36,-1249.41 ; IC15A.5@-586.49,-357.41 -594.52,-357.41 -616.24,-379.13 -616.24,-416.76 -610.47,-422.53 -610.47,-434.6 -548.84,-496.23 -466.64,-496.23 -463.77,-499.1 C93A.2@-463.77,-499.78 -462.89,-500.66 -462.89,-524.76 v1(-462,-525.64) ; IC15A.5@-583.69,-357 -549.61,-357 ; v1(-382,345) -382,201.72 -288.57,108.29 -260.32,108.29 J8.18@-260.24,108.21 J8.17@-126.38,108.21
  L3 w10: v1(-466,-1424) -436.19,-1394.19 -436.19,-1142.48 -443.46,-1135.21 -443.46,-886.88 -439.21,-882.63 -439.21,-634.31 -456.13,-617.4 -456.13,-566.55 -454.13,-564.55 -454.13,-535.07 -462,-527.2 v1(-462,-525.64) -415.59,-479.23 -415.59,311.41 v1(-382,345)
  BOTTOM w10: IC14B.35@-471.85,-1390.8 -471.51,-1391.15 -471.51,-1416.94 ; IC14A.35@-464.96,-498.24 -464.62,-498.59 -464.62,-521.47 -462,-524.09 v1(-462,-525.64)
P1V8_IDX: C183.2 C184.2 IC42.5 L14.2 R150.2 | length 209.1
  TOP w5.33: C183.2@-1908.86,54.71 -1900.19,63.38 -1900.19,71.1 -1888.58,82.7 -1887.6,82.7 -1882.39,87.91 C184.2@-1882.39,88.9
  TOP w5.71: L14.2@-1892.52,155.46 -1898.12,149.86 -1898.12,104.35 -1893.52,99.74 -1892.25,99.74 -1886.22,93.72 C184.2@-1886.22,92.47 ; C184.2@-1882.39,88.9 -1882.39,89.46 -1877.37,94.47 -1863.44,94.47 v1(-1862.6,95.32) ; C184.2@-1878.35,83.88 -1877.37,82.9 -1858.35,82.9 -1854.51,79.06 IC42.5@-1843.02,79.06
  BOTTOM w5.71: R150.2@-1889.42,99.38 -1880.86,90.82 -1869.81,90.82 -1865.31,95.32 v1(-1862.6,95.32)